# Altium PCB BoardM.PcbDoc (part 4 of 6)
Units mil, origin at the board's own origin, x right, y up, seen from the top; angles counter-clockwise.
Board outline 5068.79 x 4143.89 mil, 4 copper layers (Top Layer, GND, VCC, Bottom Layer); 308 components, 198 nets, 1036 pads, 534 vias.
Unrouted connection lines stored in the file: 1.
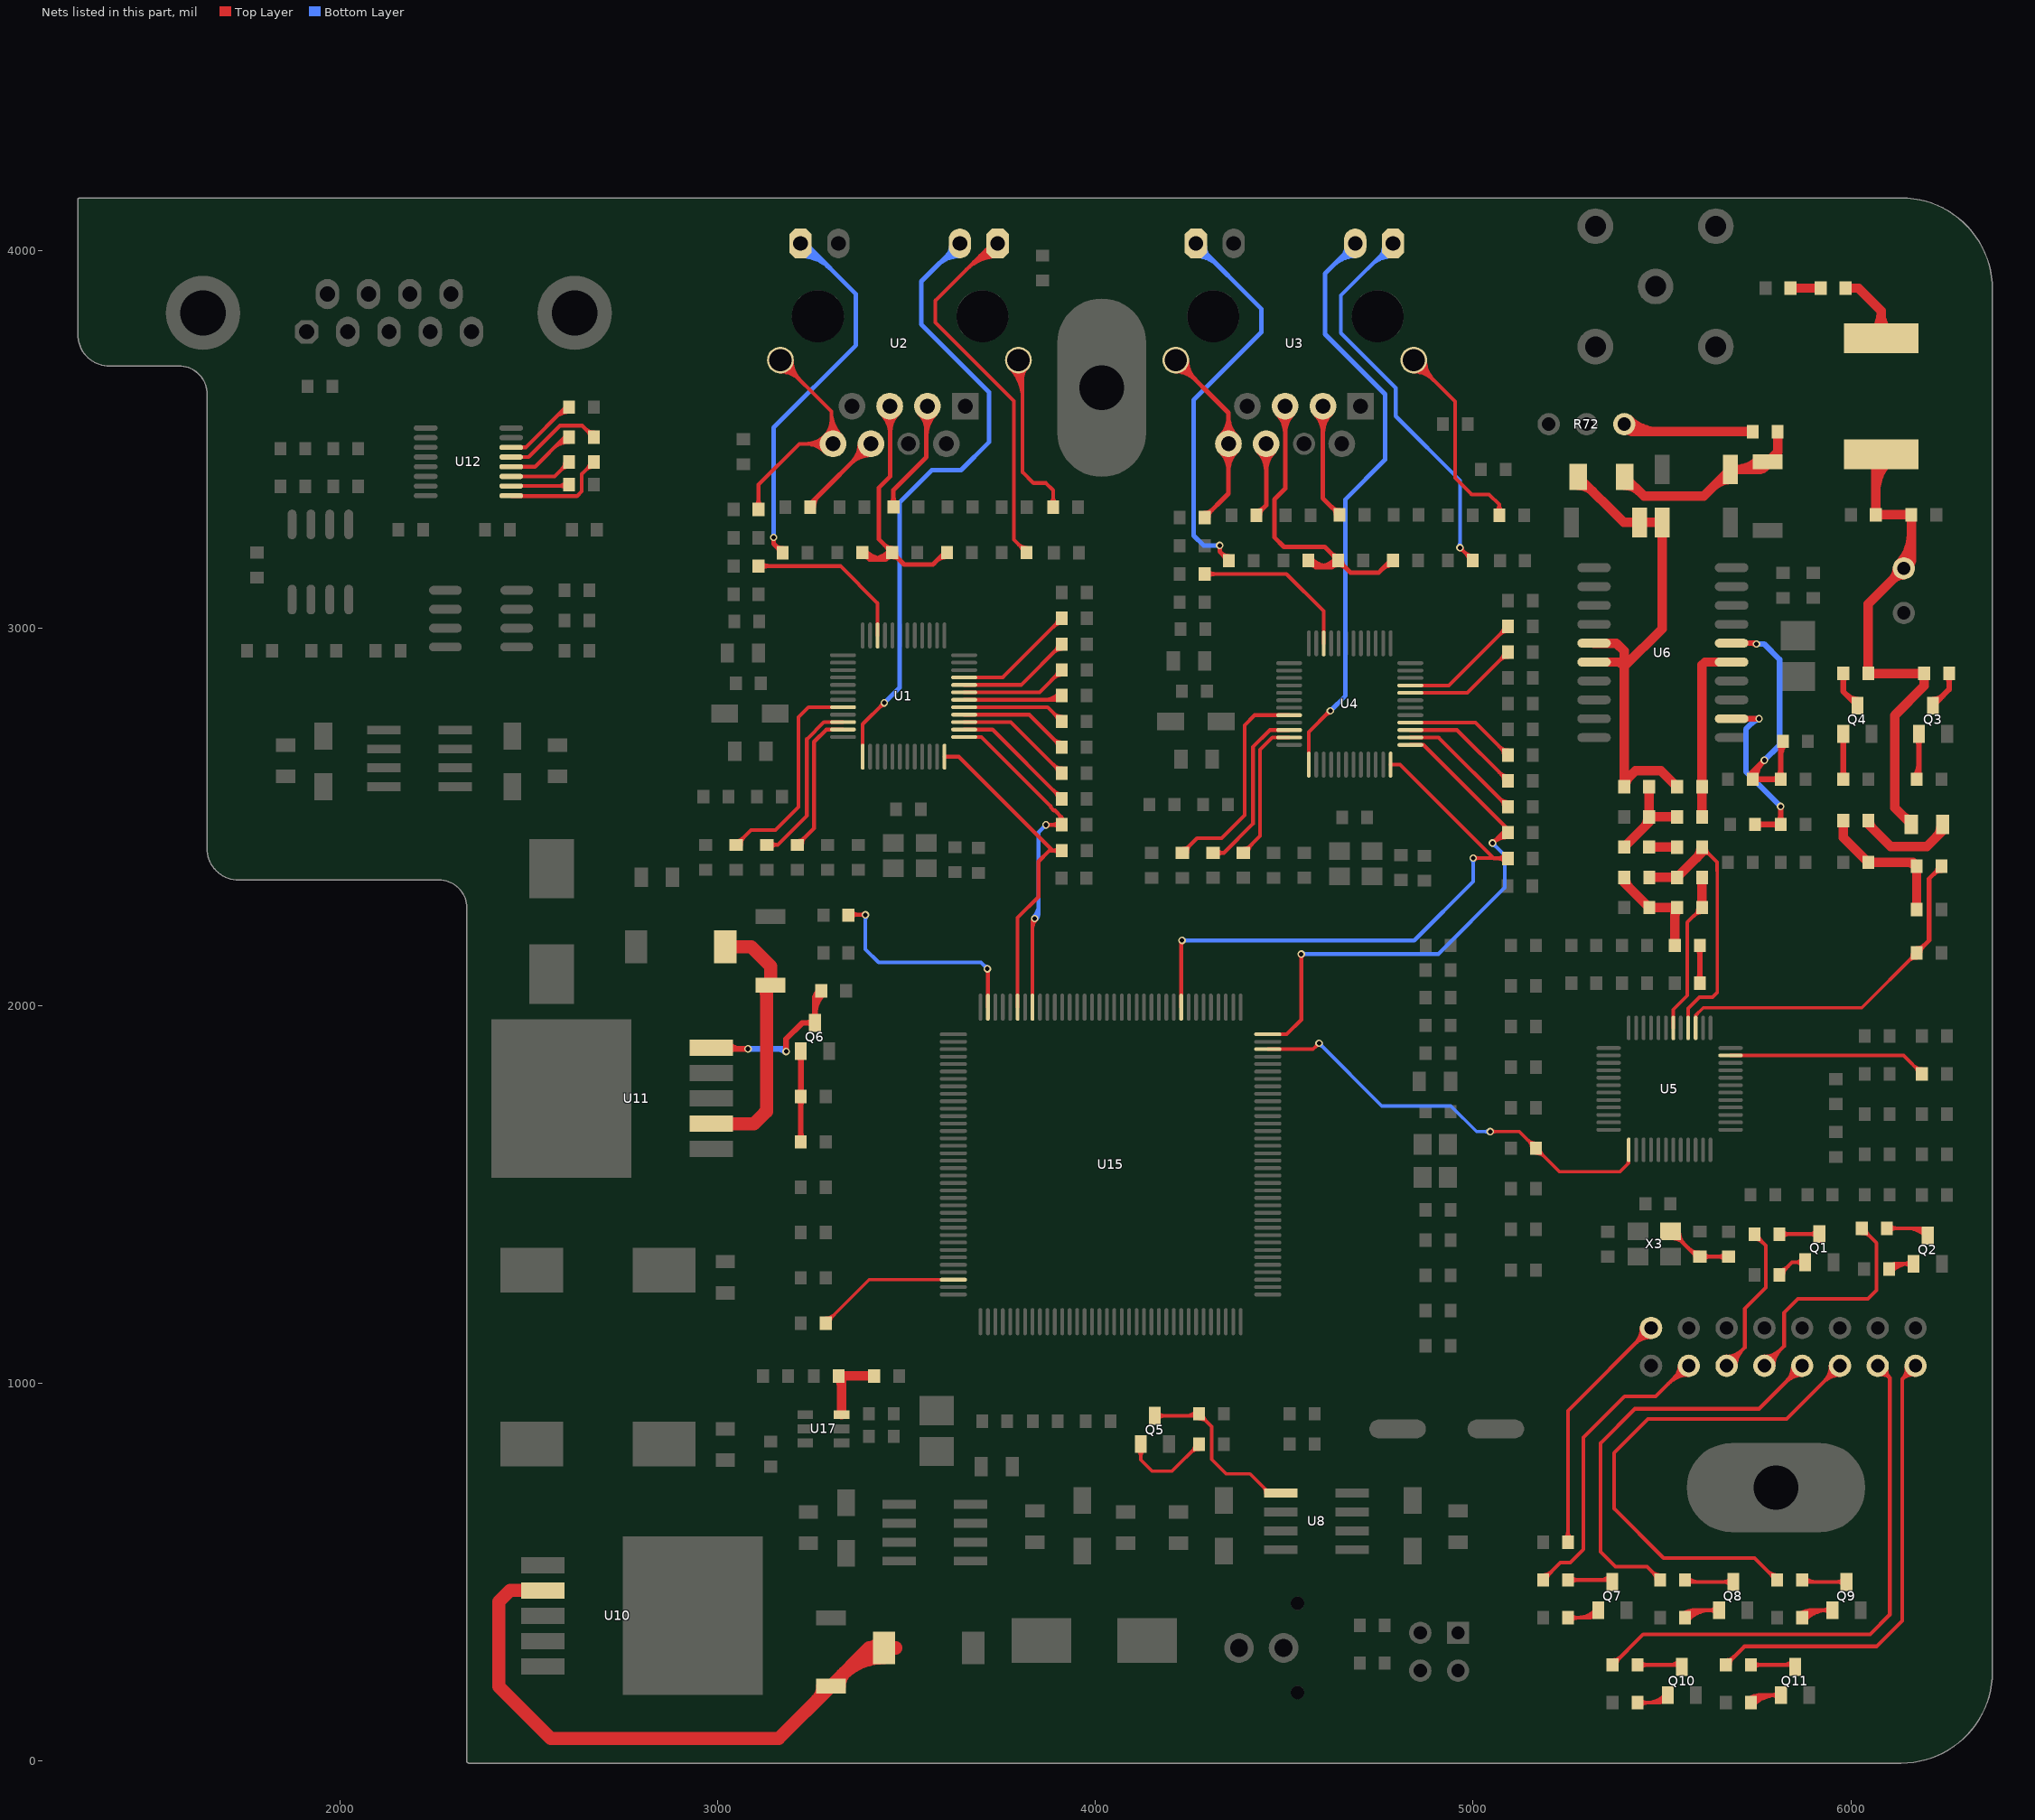
[diagram p6: the nets of this part, all layers, seen from the top]

## Via types
v1: diameter 20, hole 12, Top Layer to Bottom Layer, 480 vias
v2: diameter 30, hole 17, Top Layer to Bottom Layer, 54 vias

## Nets (pads, with @x,y where several pads share a name; then routed paths per layer and width w, separated by ;. In a path a pad name is that pad's centre, name@x,y a point inside that pad or via, vN(x,y) a via of type N, cw(c..) or ccw(c..) an arc to the next point about the centre after c; other vN are vias at no path point) (continued)
INT: R52.1 U5.25 U15.34 | length 1330.4
  Top Layer w9: U15.34@4456.34,1885.12 4576.12,1885.12 v1(4592,1901) ; v1@4586.5,1901 cw(c4573.22,1901) 4582.61,1891.61 cw(c4592,1882.22) v1@4592,1895.5 ; v1(5045,1667) 5121.91,1667 R52.1@5165.85,1623.06 5227.91,1561 5389,1561 5411.73,1583.73 U5.25@5411.73,1618.58 ; v1@5048.89,1663.11 cw(c5058.28,1653.72) 5058.28,1667 cw(c5058.28,1680.28) v1@5048.89,1670.89 ; 5143.29,1645.62 ccw(c5165.85,1668.18) R52.1@5165.85,1636.28 ; 5148.04,1640.87 cw(c5132.2,1625.03) R52.1@5154.6,1625.03 ; R52.1@5165.85,1609.84 cw(c5165.85,1577.93) 5188.41,1600.5 ; R52.1@5177.1,1621.09 ccw(c5199.5,1621.09) 5183.66,1605.25 ; 5405.86,1577.86 ccw(c5392.69,1591.02) U5.25@5411.31,1591.02
  Bottom Layer w9: v1@4592,1895.5 cw(c4592,1882.22) 4601.39,1891.61 cw(c4610.78,1901) v1@4597.5,1901 ; v1(4592,1901) 4758,1735 4941,1735 5009,1667 v1(5045,1667) ; v1@5041.11,1663.11 ccw(c5031.72,1653.72) 5031.72,1667 ccw(c5031.72,1680.28) v1@5041.11,1670.89
LINKLED1: U1.25 U2.10 | length 1798.9
  Top Layer w10: U1.25@3383.73,2659.57 3383.73,2745.73 v1@3439.5,2801.5
  Top Layer w12: 3432.46,2794.46 cw(c3441,2785.93) v1@3441,2798
  Bottom Layer w12: v1(3441,2802) 3481,2842 3481,3332 3567,3418 3644,3418 3718,3492 3718,3625 3539,3804 3539,3917.79 U2.10@3639.72,4018.5 ; 3581.85,3960.64 cw(c3640.98,3901.51) U2.10@3640.98,3985.13 ; 3602.34,3981.13 cw(c3640.98,3942.48) U2.10@3640.98,3997.13 ; 3608.67,3987.46 ccw(c3587.48,4008.66) U2.10@3617.46,4008.66
LINKLED2: U3.10 U4.25 | length 1700.7
  Top Layer w10: U4.25@4564.73,2638.57 4564.73,2724.73 v1@4620.5,2780.5
  Top Layer w12: 4613.46,2773.46 cw(c4622,2764.93) v1@4622,2777
  Bottom Layer w12: v1(4622,2781) 4662,2821 4662,3341 4767,3446 4767,3619 4608,3778 4608,3938.79 U3.10@4687.72,4018.5 ; 4630.75,3961.54 cw(c4687.72,3904.57) U3.10@4687.72,3985.13 ; 4651.24,3982.02 cw(c4687.72,3945.54) U3.10@4687.72,3997.13 ; 4654.51,3985.3 ccw(c4631.15,4008.66) U3.10@4664.19,4008.66
NetC2_1: C2.1 U2.14 | length 727.6
  Top Layer w10: U2.14@3774.39,3687.93 cw(c3695.65,3609.19) 3807,3609.19 ; U2.14@3781.46,3695 cw(c3719.79,3633.33) 3807,3633.33 ; U2.14@3788.53,3702.07 cw(c3743.93,3657.48) 3807,3657.48 ; U2.14@3794.64,3709.45 3807,3697.09 3807,3413 3836,3384 3869,3384 3888,3365 C2.1@3888,3314 ; 3807,3662.76 cw(c3842.59,3662.76) U2.14@3817.42,3687.93 ; C2.1@3880.4,3329.57 ccw(c3862.05,3347.92) 3888,3347.92 ccw(c3913.95,3347.92) C2.1@3895.6,3329.57
NetC4_2: C4.2 U2.3 | length 518.7
  Top Layer w12: C4.2@3458.46,3329.42 ccw(c3441.82,3346.06) 3465.35,3346.06 ccw(c3488.88,3346.06) C4.2@3472.24,3329.42 ; C4.2@3465.35,3320.56 3465.35,3365.59 3552.65,3452.89 3552.65,3586.36 U2.3@3554.09,3587.8 ; U2.3@3534.54,3566.98 cw(c3490.81,3523.26) 3552.65,3523.26 ; U2.3@3543.03,3575.47 cw(c3519.79,3552.23) 3552.65,3552.23 ; 3552.65,3510.22 cw(c3632.93,3510.22) U2.3@3576.17,3566.98 ; 3552.65,3539.19 cw(c3603.96,3539.19) U2.3@3567.68,3575.47
NetC6_2: C6.2 R4.2 R6.1 U2.5 | length 1205
  Top Layer w12: R6.1@3381.26,3196.44 ccw(c3416.07,3231.18) 3416.07,3182 ; R6.1@3382.85,3200 3385,3200 3401,3184 ; R6.1@3384.12,3188.37 cw(c3387.08,3165.96) 3403.06,3181.94 ; R6.1@3389.75,3204.92 ccw(c3445,3260.05) 3445,3182 ; R6.1@3392.6,3198.03 ccw(c3406.19,3198.03) R6.1@3396.58,3188.42 ; 3429.86,3182 ccw(c3429.86,3228.27) C6.2@3463.49,3196.48 ; U2.5@3434.54,3566.98 cw(c3380.32,3512.77) 3457,3512.77 ; 3441.85,3220 ccw(c3461.85,3240) C6.2@3461.85,3211.72 ; U2.5@3443.03,3575.47 cw(c3409.29,3541.74) 3457,3541.74 ; 3444.59,3181.59 cw(c3460.79,3165.39) C6.2@3461.53,3188.29 ; 3445.79,3182.79 ccw(c3430.55,3198.03) C6.2@3452.1,3198.03 ; C6.2@3446.6,3215.25 cw(c3433.32,3201.97) C6.2@3452.1,3201.97 ; C6.2@3449,3186 3445,3182 ; U2.5@3454.09,3587.8 3454.09,3561.91 3457,3559 3457,3402 3426,3371 3426,3235.85 C6.2@3461.85,3200 3493.57,3168.28 3569.68,3168.28 3573.4,3172 ; C6.2@3454.77,3204.73 cw(c3402,3254.61) 3402,3182 3445,3182 ; 3457,3520.71 cw(c3522.44,3520.71) U2.5@3476.17,3566.98 ; 3457,3549.68 cw(c3493.47,3549.68) U2.5@3467.68,3575.47 ; C6.2@3461.85,3188.28 cw(c3461.85,3160) 3481.85,3180 ; C6.2@3471.6,3198.03 ccw(c3490.38,3198.03) C6.2@3477.1,3184.75 ; 3574.85,3174 R4.2@3602.85,3202 ; 3576.61,3175.76 cw(c3606.85,3145.51) R4.2@3606.85,3188.28
NetC7_2: C7.2 U2.6 | length 442.7
  Top Layer w12: C7.2@3245,3320 3245,3328.71 U2.6@3404.09,3487.8 ; C7.2@3254.75,3321.97 cw(c3294.55,3321.97) 3266.41,3350.12 ; 3352.95,3436.65 cw(c3405.35,3384.25) U2.6@3405.35,3458.36 ; 3356,3439.71 ccw(c3307.92,3487.8) U2.6@3375.92,3487.8 ; 3373.43,3457.14 cw(c3405.35,3425.22) U2.6@3405.35,3470.36 ; 3376.49,3460.2 ccw(c3348.89,3487.8) U2.6@3387.92,3487.8
NetC12_1: C12.1 U1.20 | length 614.1
  Top Layer w10: C12.1@3048.69,2425.85 3087.84,2465 3153,2465 3214,2526 3214,2764 3240.47,2790.47 U1.20@3331.57,2790.47 ; C12.1@3050.66,2436.6 ccw(c3050.66,2457.79) 3065.64,2442.81 ; C12.1@3061.4,2425.85 cw(c3092.1,2425.85) 3070.4,2447.56
NetC13_1: C13.1 U2.8 U2.13 | length 1238
  Top Layer w10: C13.1@3100.4,3323.57 ccw(c3082.05,3341.92) 3108,3341.92 ccw(c3133.95,3341.92) C13.1@3115.6,3323.57 ; C13.1@3108,3314 3108,3380 3215.8,3487.8 U2.8@3304.09,3487.8 ; U2.13@3164.72,3709.45 3300.65,3573.51 U2.8@3300.65,3491.23 ; U2.13@3165.98,3679.02 cw(c3165.98,3608.6) 3215.77,3658.39 ; U2.13@3165.98,3689.02 cw(c3165.98,3642.75) 3198.7,3675.46 ; U2.13@3186.42,3709.45 ccw(c3238.81,3709.45) 3201.76,3672.4 ; U2.13@3196.42,3709.45 ccw(c3272.95,3709.45) 3218.83,3655.33 ; 3256.02,3487.8 ccw(c3256.02,3537.13) 3290.91,3502.24 ccw(c3267.37,3525.78) 3300.65,3525.78 ; 3256.03,3487.8 cw(c3256.03,3438.47) U2.8@3290.91,3473.35 ; U2.8@3283.83,3466.28 ccw(c3231.88,3414.32) 3231.88,3487.8 ccw(c3231.88,3561.27) 3283.83,3509.32 ccw(c3243.23,3549.92) 3300.65,3549.92 ; 3300.65,3524.33 ccw(c3341.89,3524.33) U2.8@3312.73,3495.17 ; 3300.65,3548.47 ccw(c3366.03,3548.47) U2.8@3319.8,3502.24 ; 3300.65,3572.62 ccw(c3390.17,3572.62) U2.8@3326.87,3509.32
  Top Layer w20: U2.8@3300.65,3491.23 U2.8@3304.09,3487.8
NetC14_2: C14.2 U1.22 | length 495.8
  Top Layer w10: C14.2@3129.94,2426 3158.77,2426 3236,2503.23 3236,2706 3281.1,2751.1 U1.22@3331.57,2751.1 ; C14.2@3139.5,2418.4 cw(c3157.85,2400.05) 3157.85,2426 cw(c3157.85,2451.95) C14.2@3139.5,2433.6
NetC26_1: C26.1 U3.14 | length 764.8
  Top Layer w10: U3.14@4842.64,3679.02 cw(c4842.64,3605.54) 4894.59,3657.5 cw(c4946.54,3709.45) U3.14@4873.07,3709.45 ; U3.14@4842.64,3689.02 cw(c4842.64,3639.69) 4877.52,3674.57 cw(c4912.4,3709.45) U3.14@4863.07,3709.45 ; U3.14@4842.64,3709.45 4952,3600.09 4952,3398 4996,3354 5042,3354 5069,3327 C26.1@5069,3299 ; C26.1@5061.4,3308.57 ccw(c5043.05,3326.92) 5069,3326.92 ccw(c5094.95,3326.92) C26.1@5076.6,3308.57
NetC28_2: C28.2 U3.3 | length 521.3
  Top Layer w12: U3.3@4581.27,3566.98 cw(c4531.03,3516.74) 4602.09,3516.74 cw(c4673.14,3516.74) U3.3@4622.9,3566.98 ; U3.3@4589.76,3575.47 cw(c4560,3545.71) 4602.09,3545.71 cw(c4644.17,3545.71) U3.3@4614.41,3575.47 ; U3.3@4602.09,3587.8 4602.09,3343.82 C28.2@4646.35,3299.56 ; 4626.35,3319.56 ccw(c4646.35,3339.56) C28.2@4646.35,3311.28 ; C28.2@4631.1,3314.81 cw(c4617.82,3301.53) C28.2@4636.6,3301.53
NetC30_2: C30.2 R24.2 R26.1 U3.5 | length 1340.8
  Top Layer w12: U3.5@4481.27,3566.98 cw(c4431.03,3516.74) 4502.09,3516.74 cw(c4573.14,3516.74) U3.5@4522.9,3566.98 ; U3.5@4489.76,3575.47 cw(c4460,3545.71) 4502.09,3545.71 cw(c4544.17,3545.71) U3.5@4514.41,3575.47 ; U3.5@4502.09,3587.8 4502.09,3369.09 4473.5,3340.5 4473.5,3240.5 4499.15,3214.85 4607,3214.85 C30.2@4642.85,3179 4674.57,3147.28 4750.68,3147.28 4754.4,3151 ; R26.1@4562.26,3175.44 ccw(c4597.07,3210.18) 4597.07,3161 ; R26.1@4563.85,3179 4566,3179 4582,3163 ; R26.1@4565.12,3167.37 cw(c4568.08,3144.96) 4584.06,3160.94 ; R26.1@4570.75,3183.92 ccw(c4626,3239.05) 4626,3161 ; R26.1@4573.6,3177.03 ccw(c4587.19,3177.03) R26.1@4577.58,3167.42 ; 4610.86,3161 ccw(c4610.86,3207.27) C30.2@4644.49,3175.48 ; 4622.85,3199 ccw(c4642.85,3219) C30.2@4642.85,3190.72 ; 4625.59,3160.59 cw(c4641.79,3144.39) C30.2@4642.53,3167.29 ; 4626.79,3161.79 ccw(c4611.55,3177.03) C30.2@4633.1,3177.03 ; C30.2@4627.6,3194.25 cw(c4614.32,3180.97) C30.2@4633.1,3180.97 ; C30.2@4630,3165 4626,3161 ; C30.2@4635.77,3183.73 cw(c4583,3233.61) 4583,3161 4626,3161 ; C30.2@4642.85,3167.28 cw(c4642.85,3139) 4662.85,3159 ; C30.2@4652.6,3177.03 ccw(c4671.38,3177.03) C30.2@4658.1,3163.75 ; 4754.93,3152.07 R24.2@4781.85,3179 ; 4757.61,3154.76 cw(c4787.85,3124.51) R24.2@4787.85,3167.28
NetC31_2: C31.2 U3.6 | length 414.3
  Top Layer w12: C31.2@4426,3299 4452.09,3325.09 U3.6@4452.09,3487.8 ; C31.2@4426,3310.72 ccw(c4426,3339) 4446,3319 ; U3.6@4431.27,3466.98 cw(c4381.03,3416.74) 4452.09,3416.74 cw(c4523.14,3416.74) U3.6@4472.9,3466.98 ; C31.2@4435.75,3300.97 cw(c4454.53,3300.97) C31.2@4441.25,3314.25 ; U3.6@4439.76,3475.47 cw(c4410,3445.71) 4452.09,3445.71 cw(c4494.17,3445.71) U3.6@4464.41,3475.47
NetC36_1: C36.1 U4.20 | length 614.1
  Top Layer w10: C36.1@4229.69,2404.85 4268.84,2444 4334,2444 4395,2505 4395,2743 4421.47,2769.47 U4.20@4512.57,2769.47 ; C36.1@4231.66,2415.6 ccw(c4231.66,2436.79) 4246.64,2421.81 ; C36.1@4242.4,2404.85 cw(c4273.1,2404.85) 4251.4,2426.56
NetC37_1: C37.1 U3.8 U3.13 | length 1070.5
  Top Layer w12: U3.13@4212.72,3680.02 cw(c4212.72,3608.96) 4262.96,3659.2 cw(c4313.21,3709.45) U3.13@4242.15,3709.45 ; U3.13@4212.72,3692.02 cw(c4212.72,3649.93) 4242.48,3679.69 cw(c4272.24,3709.45) U3.13@4230.15,3709.45 ; U3.13@4212.72,3709.45 4352.09,3570.08 U3.8@4352.09,3487.8 4352.09,3356.09 C37.1@4289,3293 ; C37.1@4289,3304.72 ccw(c4289,3333) 4309,3313 ; C37.1@4298.75,3294.97 cw(c4317.53,3294.97) C37.1@4304.25,3308.25 ; U3.8@4331.27,3466.98 cw(c4281.03,3416.74) 4352.09,3416.74 cw(c4423.14,3416.74) U3.8@4372.9,3466.98 ; U3.8@4331.27,3508.61 ccw(c4281.03,3558.85) 4352.09,3558.85 ccw(c4423.14,3558.85) U3.8@4372.9,3508.61 ; U3.8@4339.76,3475.47 cw(c4310,3445.71) 4352.09,3445.71 cw(c4394.17,3445.71) U3.8@4364.41,3475.47 ; U3.8@4339.76,3500.12 ccw(c4310,3529.88) 4352.09,3529.88 ccw(c4394.17,3529.88) U3.8@4364.41,3500.12
NetC38_2: C38.2 U4.22 | length 495.8
  Top Layer w10: C38.2@4310.94,2405 4339.77,2405 4417,2482.23 4417,2685 4462.1,2730.1 U4.22@4512.57,2730.1 ; C38.2@4320.5,2397.4 cw(c4338.85,2379.05) 4338.85,2405 cw(c4338.85,2430.95) C38.2@4320.5,2412.6
NetC50_1: C50.1 R44.2 X3.3 | length 374.1
  Top Layer w10: X3.3@5522.61,1402.93 5525.25,1402.93 5592.18,1336 C50.1@5600,1336 5675.85,1336 R44.2@5676,1335.85 ; X3.3@5526.55,1384.31 cw(c5526.55,1342.49) 5556.12,1372.06 ; X3.3@5545.17,1402.93 ccw(c5593.27,1402.93) 5559.26,1368.92 ; 5569.69,1358.49 ccw(c5598.03,1386.82) C50.1@5598.03,1346.75 ; C50.1@5583.82,1344.36 cw(c5575.46,1336) C50.1@5587.28,1336 ; C50.1@5609.57,1328.4 cw(c5627.92,1310.05) 5627.92,1336 cw(c5627.92,1361.95) C50.1@5609.57,1343.6 ; 5647.72,1336 cw(c5647.72,1309.54) R44.2@5666.43,1328.25 ; 5648.44,1336 ccw(c5648.44,1361.44) R44.2@5666.43,1343.45
NetC51_1: C51.1 R56.1 R57.2 R59.1 | length 399.2
  Top Layer w25: R57.2@5979.85,2490.28 5979.85,2446 C51.1@6045.85,2380 R56.1@6163.87,2380 ; 6146.24,2380 cw(c6146.24,2343.78) R56.1@6171.85,2369.39 ; R59.1@6174.15,2254.58 R56.1@6174.15,2369.72
NetC52_1: C52.1 C54.1 L6.2 L7.1 R53.2 R54.2 R55.2 | length 1669
  Top Layer w25: 6066,3361.33 cw(c6178.67,3361.33) L7.1@6099,3441 ; L7.1@6066,3421.69 cw(c6118.31,3421.69) L7.1@6081.32,3458.68 ; L7.1@6080,3460 6066,3446 R55.2@6066,3300 C52.1@6160,3300 6160,3178.11 L6.2@6140,3158.11 6046,3064.11 R54.2@6046,2880 R53.2@6194,2880 6194,2847 6116,2769 6116,2524 C54.1@6160,2480 ; L6.2@6122.97,3158.11 cw(c6081.86,3158.11) 6110.93,3129.04 cw(c6140,3099.97) L6.2@6140,3141.08 ; L6.2@6127.96,3170.15 ccw(c6050.61,3247.5) 6160,3247.5 ; 6137.65,2502.35 ccw(c6160,2524.69) C54.1@6160,2493.09 ; L6.2@6145.64,3152.47 ccw(c6110.96,3187.15) 6160,3187.15
NetC53_1: C53.1 R58.1 | length 80
  Top Layer w25: R58.1@5840,3900 C53.1@5920,3900
NetC53_2: C53.2 L7.2 | length 293.7
  Top Layer w25: C53.2@5986,3900 6020,3900 6080,3840 L7.2@6080,3767.09 ; L7.2@6061,3786.09 ccw(c6015.13,3831.96) 6080,3831.96 ccw(c6144.87,3831.96) L7.2@6099,3786.09
NetC54_2: C54.2 R57.1 | length 298.9
  Top Layer w25: R57.1@6047,2480 6105,2422 6201,2422 6242.68,2463.68 C54.2@6242.68,2480 ; R57.1@6049.1,2488.31 ccw(c6074.23,2488.31) 6056.46,2470.54 ; 6227.8,2448.8 ccw(c6204.47,2472.13) C54.2@6237.46,2472.13
NetC65_2: C65.2 R56.2 U5.3 | length 1072.7
  Top Layer w9: U5.3@5588.9,1941.42 5588.9,1974.9 5609,1995 6029,1995 C65.2@6174,2140 ; U5.3@5589.32,1968.98 cw(c5604.63,1968.98) 5593.8,1979.8 ; 6151.44,2117.44 cw(c6174,2094.88) C65.2@6174,2126.78 ; 6156.19,2122.19 ccw(c6140.35,2138.03) C65.2@6162.75,2138.03
  Top Layer w12: C65.2@6174,2140 6207,2173 6207,2336.57 R56.2@6240.15,2369.72 ; C65.2@6174,2151.72 ccw(c6174,2180) 6194,2160 ; C65.2@6183.75,2141.97 cw(c6202.53,2141.97) C65.2@6189.25,2155.25 ; 6220.15,2349.72 cw(c6240.15,2329.72) R56.2@6240.15,2358 ; R56.2@6224.9,2354.47 ccw(c6211.62,2367.75) R56.2@6230.4,2367.75
NetC66_2: C66.2 R61.2 U6.9 | length 589.4
  Top Layer w15: U6.9@5684.17,2760 v1(5757,2760) ; R61.2@5746,2480 C66.2@5814,2480 v1(5814,2528) ; R61.2@5751.83,2474.17 cw(c5765.91,2460.09) 5765.91,2480 cw(c5765.91,2499.91) R61.2@5751.83,2485.83 ; C66.2@5808.17,2474.17 ccw(c5794.09,2460.09) 5794.09,2480 ccw(c5794.09,2499.91) C66.2@5808.17,2485.83 ; C66.2@5808.17,2487.8 ccw(c5794.09,2501.88) 5814,2501.88 ccw(c5833.91,2501.88) C66.2@5819.83,2487.8
  Bottom Layer w15: 5740.78,2750.78 cw(c5757,2734.57) v1@5757,2757.5 ; v1(5757,2760) 5750,2760 5722,2732 5722,2620 v1(5814,2528)
NetC69_1: C69.1 R62.2 R64.1 U6.5 | length 892.1
  Top Layer w15: U6.5@5684.17,2960 v1@5748,2960 ; C69.1@5733.25,2601.97 cw(c5758.06,2601.97) 5740.52,2619.52 ; C69.1@5734.89,2608.44 ccw(c5726.54,2619) 5740,2619 ; 5739.14,2960 cw(c5739.14,2947.14) v1@5748.23,2956.23 ; C69.1@5745.11,2608.44 cw(c5753.46,2619) 5740,2619 ; C69.1@5745.83,2594.17 cw(c5759.91,2580.09) 5759.91,2600 cw(c5759.91,2619.91) C69.1@5745.83,2605.83 ; C69.1@5748.25,2601.97 cw(c5809.28,2601.97) v1@5766.12,2645.12 ; v1(5771,2650) 5740,2619 ; R62.2@5808.17,2594.17 ccw(c5794.09,2580.09) 5794.09,2600 ccw(c5794.09,2619.91) R62.2@5808.17,2605.83 ; R62.2@5808.17,2607.8 ccw(c5794.09,2621.88) 5814,2621.88 ccw(c5833.91,2621.88) R62.2@5819.83,2607.8 ; 5814,2663.63 cw(c5854.4,2663.63) R64.1@5825.83,2692.2 ; R64.1@5820,2700 5814,2694 R62.2@5814,2600 C69.1@5740,2600 5740,2619
  Bottom Layer w15: v1(5750,2958) 5770,2958 5811,2917 5811,2690 v1(5771,2650)
NetC75_1: C75.1 R66.2 R67.1 R71.1 | length 289.8
  Top Layer w15: C75.1@5465.85,2486.28 C75.1@5465.85,2500.14
  Top Layer w25: R66.2@5399.85,2420.28 C75.1@5465.85,2486.28 ; 5451.9,2472.33 ccw(c5426.05,2498.17) C75.1@5462.6,2498.17 ; R71.1@5465.85,2580 C75.1@5465.85,2500.14 R67.1@5539.86,2500.14
NetC76_1: C76.1 R72.1 | length 472.7
  Top Layer w15: R72.1@5400,3540 R72.1@5420,3520
  Top Layer w25: R72.1@5394.36,3534.36 ccw(c5429.04,3569.04) 5429.04,3520 ; R72.1@5412.04,3552.04 ccw(c5489.39,3629.39) 5489.39,3520 ; R72.1@5420,3520 C76.1@5740,3520
NetC76_2: C76.2 D1.2 D3.1 L5.2 | length 785.6
  Top Layer w25: L5.2@5401.61,3377.85 cw(c5401.61,3324.39) 5439.42,3362.2 ; L5.2@5401.61,3400 5452.61,3349 5610.1,3349 D1.2@5681.1,3420 5760,3420 D3.1@5780,3440 5806,3466 ; 5635.23,3374.13 cw(c5681.1,3328.26) D1.2@5681.1,3393.13 ; D1.2@5694.68,3420 ccw(c5694.68,3505.63) D3.1@5755.23,3445.08 ; 5755.04,3420 ccw(c5755.04,3445.28) D3.1@5772.91,3427.4 ; D3.1@5794.6,3445.08 ccw(c5767.09,3472.59) 5806,3472.59 ; D3.1@5795.55,3445.88 ccw(c5781.4,3466) 5806,3466 ; D3.1@5805.15,3444.66 cw(c5817.13,3454.87) 5806,3466 ; C76.2@5806,3520 5806,3466
NetC77_2: C77.2 R68.2 R69.1 R70.1 | length 334.6
  Top Layer w15: R70.1@5400,2326 R70.1@5400,2339.86 ; R69.1@5534,2254 R69.1@5540,2260
  Top Layer w25: R70.1@5400,2326 C77.2@5466,2260 R69.1@5540,2260 ; R70.1@5403.25,2337.89 ccw(c5439.8,2337.89) 5413.95,2312.05 ; R68.2@5534,2160 R69.1@5534,2254 ; 5534,2235.7 cw(c5562.33,2235.7) R69.1@5542.3,2255.73
NetC78_1: C78.1 R66.1 | length 73.9
  Top Layer w25: R66.1@5465.85,2420.28 C78.1@5539.72,2420.28
NetC78_2: C78.2 C85.1 R70.2 U5.4 | length 800.3
  Top Layer w9: U5.4@5569.21,1941.42 5569.21,1993.21 5599,2023 5634,2023 5646,2035 5646,2356.86 5645.75,2357.11 5645.75,2380.25 C78.2@5606,2420 ; C78.2@5606,2406.78 cw(c5606,2374.88) 5628.56,2397.44 ; C78.2@5617.25,2418.03 ccw(c5639.65,2418.03) 5623.81,2402.19
  Top Layer w15: C78.2@5606,2406 C78.2@5606,2420
  Top Layer w25: R70.2@5466,2339.86 C85.1@5539.86,2339.86 ; C85.1@5540,2340 C78.2@5606,2406 ; 5591.95,2391.95 ccw(c5565.86,2418.03) C78.2@5602.75,2418.03
NetC83_2: C83.2 U5.47 | length 569.2
  Top Layer w9: U5.47@5681.42,1868.58 6139.27,1868.58 C83.2@6187.85,1820 ; 6165.29,1842.56 ccw(c6187.85,1865.12) C83.2@6187.85,1833.22 ; 6170.04,1837.81 cw(c6154.2,1821.97) C83.2@6176.6,1821.97
NetC84_1: C84.1 R68.1 | length 162.6
  Top Layer w15: C84.1@5594.17,2067.8 ccw(c5580.09,2081.88) 5600,2081.88 ccw(c5619.91,2081.88) C84.1@5605.83,2067.8 ; R68.1@5594.17,2152.2 cw(c5580.09,2138.12) 5600,2138.12 cw(c5619.91,2138.12) R68.1@5605.83,2152.2 ; C84.1@5600,2060 R68.1@5600,2160
NetC85_2: C85.2 R69.2 U5.6 | length 472.8
  Top Layer w9: U5.6@5529.84,1941.42 5529.84,1989.84 5567,2027 5567,2221 R69.2@5606,2260 ; 5583.44,2237.44 cw(c5606,2214.88) R69.2@5606,2246.78 ; 5588.19,2242.19 ccw(c5572.35,2258.03) R69.2@5594.75,2258.03